# Altium PCB 直插版.PcbDoc
Units mm, origin at the board's own origin, x right, y up, seen from the top; angles counter-clockwise.
Board outline 41.52 x 81.52 mm, 2 copper layers (Top Layer, Bottom Layer); 14 components, 16 nets, 75 pads, 0 vias.
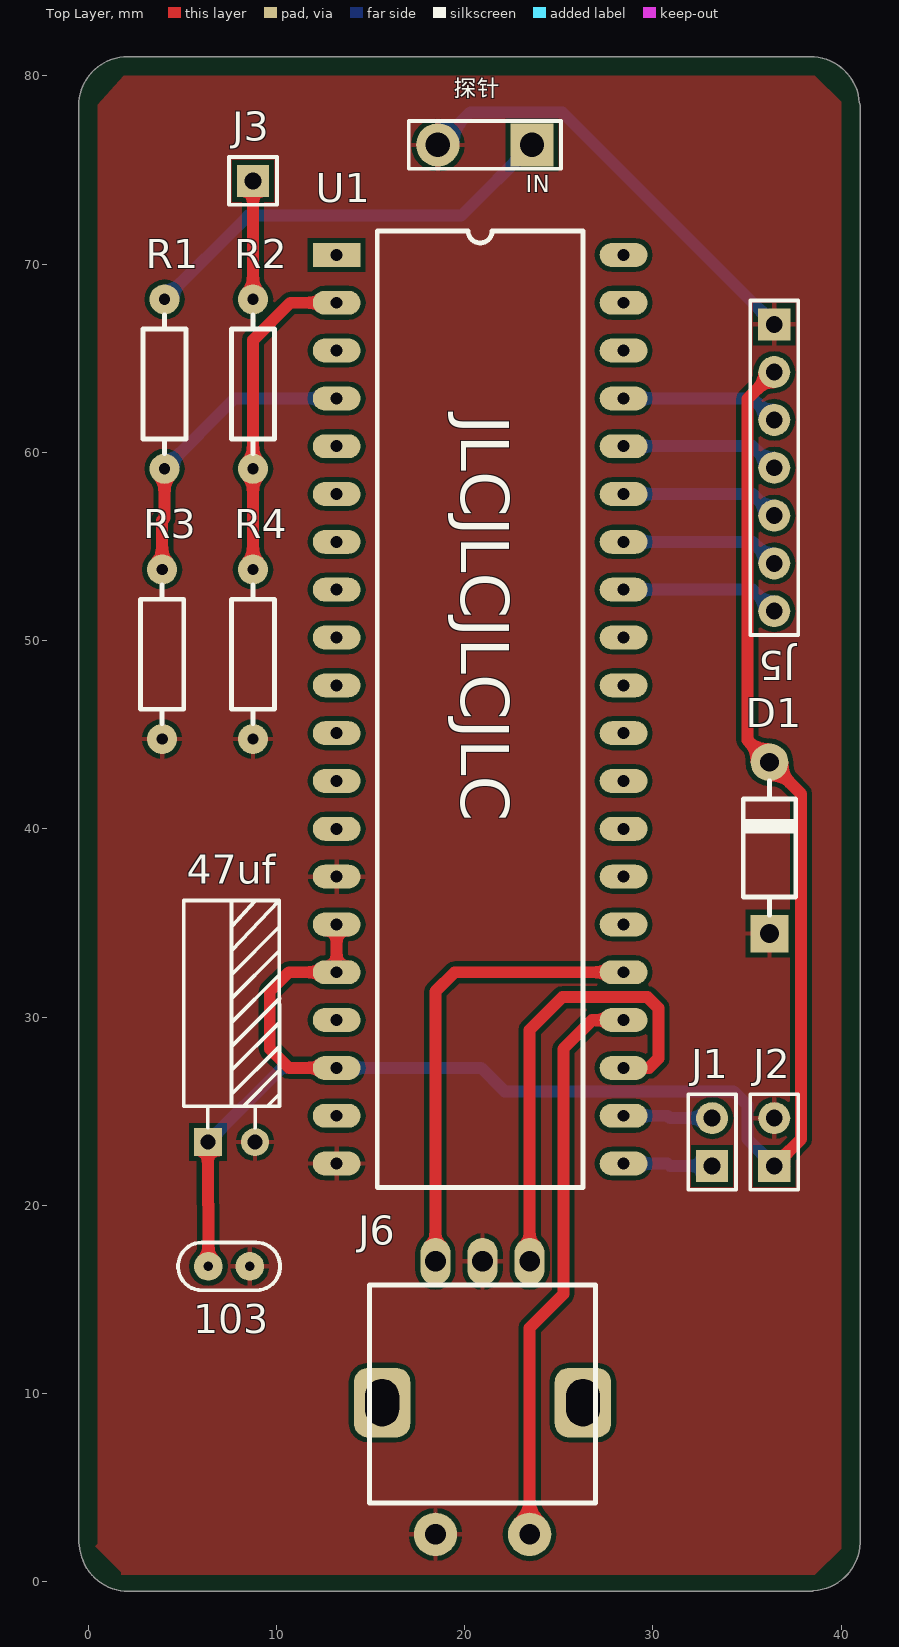
[diagram p0: Top Layer view]
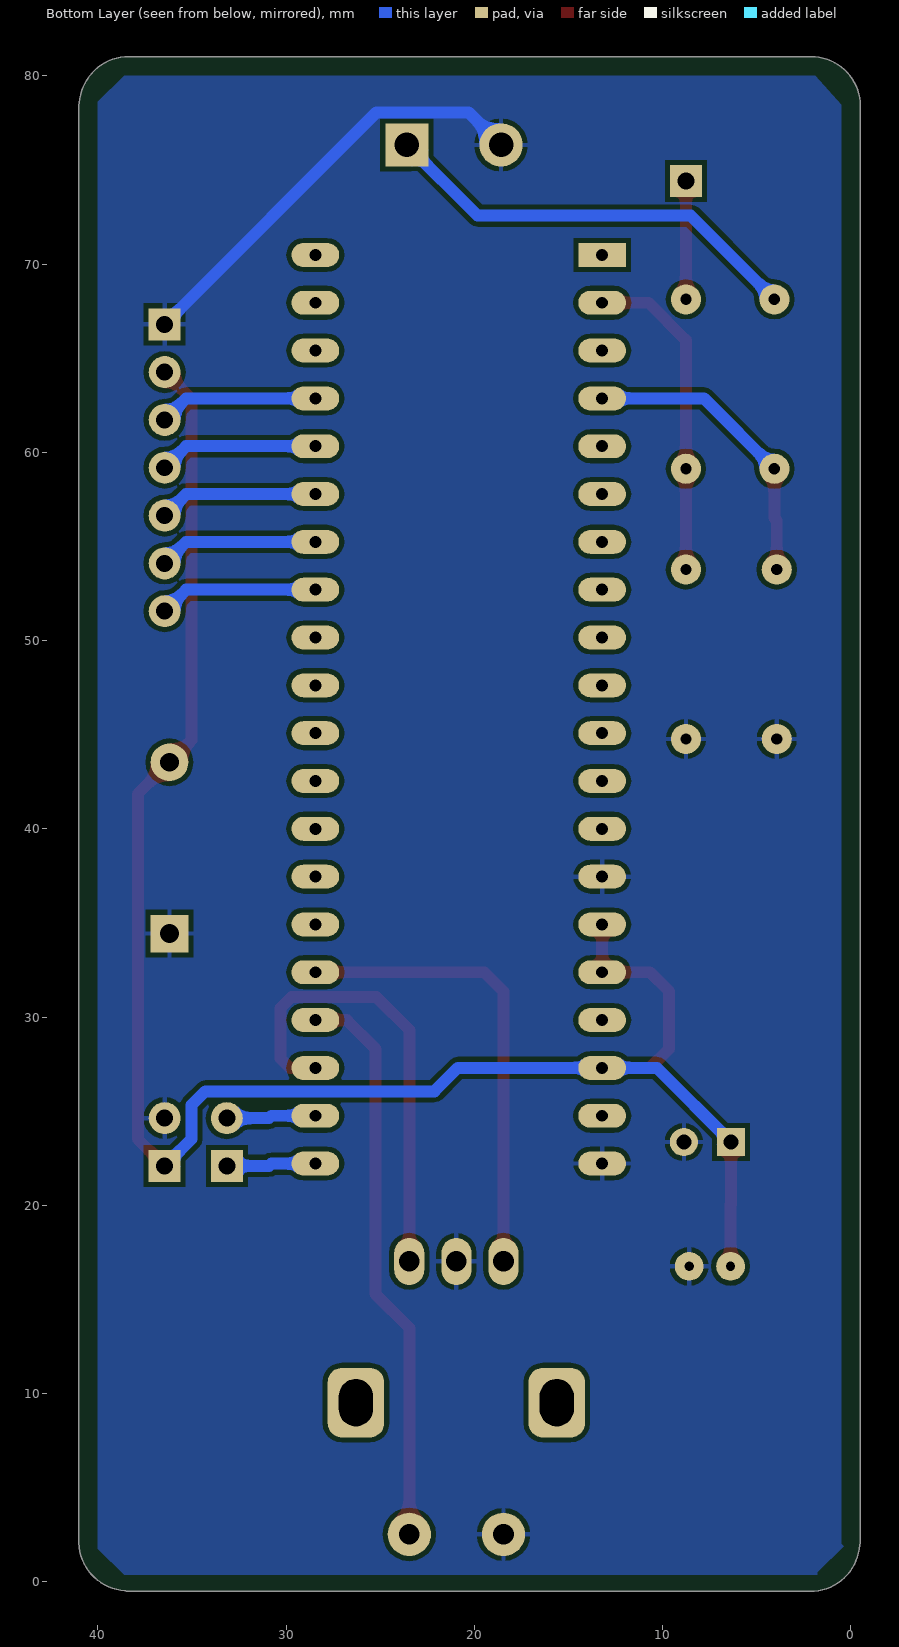
[diagram p1: Bottom Layer view, seen from below]

## Layer stack, top to bottom
Top Solder: solder mask 0.0102, Solder Resist, Dk 3.5
Top Layer: signal copper 0.0356
Dielectric 1: dielectric 0.32, FR-4, Dk 4.8
Bottom Layer: signal copper 0.0356
Bottom Solder: solder mask 0.0102, Solder Resist, Dk 3.5

## Board outline
-0.46,1.962 cw(c0,2.159) -0.5,2.159 -0.5,78.396 cw(c2.124,78.396) 2.124,81.02 38.354,81.02 cw(c38.354,78.396) 40.972,78.568 cw(c40.52,78.354) 41.02,78.354 41.02,2.166 cw(c40.52,2.166) 41.012,2.075 cw(c38.389,2.159) 38.551,-0.46 cw(c38.354,0) 38.354,-0.5 2.159,-0.5 cw(c2.159,2.124)

## Design rules (kind name [scope] priority, off if disabled: settings)
Clearance [All] p1: gap=0.254
MinimumSolderMaskSliver [All] p1: minsoldermaskwidth=0.025
PolygonConnect [All] p1: connectstyle=Relief reliefconductorwidth=0.254 reliefentries=4 polygonreliefangle="90 Angle" airgapwidth=0.254
RoutingVias [All] p1: holewidth=0.711 width=1.27 viastyle="Through Hole" minholewidth=0.711 minwidth=1.27 maxholewidth=0.711 maxwidth=1.27
SilkToSilkClearance [All] p1: silktosilkclearance=0.025
SilkToSolderMaskClearance [IsPad] p1: minsilkscreentomaskgap=0 clearancetoexposedcopper=TRUE
SolderMaskExpansion [All] p1: expansion=0.102
Width [All] p1: maxlimit=0.762 minlimit=0.254 preferedwidth=0.635
27 further rules are at their usual default settings.

## Components (designator, comment, footprint, x,y, rotation, side; value= is the part's Value field where it differs from the comment)
47uf "电解电容" 电解电容直插 7.62,23.368 r0 top
103 "普通电容" 瓷片电容直插 7.493,16.764 r0 top
D1 "5V稳压二极管" DO-41 36.195,38.989 r90 top
J1 "rxtx" HDR2.54-LI-2P 33.147,23.368 r90 top
J2 "电源" HDR2.54-LI-2P 36.449,23.368 r90 top
J3 "电池采样" 1pin排针 8.763,74.422 r0 top
J5 "oled" 7pin排针 36.449,59.182 r270 top
J6 "电位器" EC11 20.955,9.779 r90 top
R1 "10K、1W" 直插电阻1/4W 4.064,63.627 r90 top
R2 "10K" 直插电阻1/4W 8.763,63.627 r90 top
R3 "2K" 直插电阻1/4W 3.937,49.276 r90 top
R4 "2K" 直插电阻1/4W 8.763,49.276 r90 top
U1 "STC8a8k64" DIP40 13.208,70.485 r0 top
探针 "探针" 2pin-5mm 21.082,76.327 r180 top

## Footprints (in the part's own frame and the unit in brackets; to place one, negate y for a bottom-side part, rotate by r counter-clockwise, add the part's x,y. Pads: shape width x height; smd on the part's side, far side on the other; paste and mask are expansions set on the pad)
1pin排针 [mm] "排母，1脚"
  rect 1.7x1.7 hole 0.9: 1(0,0)
  silkscreen extent -1.27,-1.27 1.27,1.27, body extent -1.27,-1.27 1.27,1.27, height 8.5
2pin-5mm [mm] "排母，2脚"
  rect 2.3x2.3 hole 1.3: 1(-2.5,0)
  round 2.3 hole 1.3: 2(2.5,0)
  silkscreen extent -4.04,-1.27 4.04,1.27, body extent -3.76,-1.27 3.76,1.3, height 8.5
7pin排针 [mm] "排针，7脚"
  rect 1.7x1.7 hole 0.9: 1(-7.62,0)
  round 1.7 hole 0.9: 2(-5.08,0) 3(-2.54,0) 4(0,0) 5(2.54,0) 6(5.08,0) 7(7.62,0)
  silkscreen extent -8.89,-1.27 8.89,1.27, body extent -8.89,-1.27 8.89,1.27, height 8.5
DIP40 [mm] "40脚300mil直插集成电路（蒜米工坊）"
  rect 2.54x1.27 hole 0.635: 1(0,0)
  oval 2.54x1.27 hole 0.635: 2(0,-2.54) 3(0,-5.08) 4(0,-7.62) 5(0,-10.16) 6(0,-12.7) 7(0,-15.24) 8(0,-17.78) 9(0,-20.32) 10(0,-22.86) 11(0,-25.4) 12(0,-27.94) 13(0,-30.48) 14(0,-33.02) 15(0,-35.56) 16(0,-38.1) 17(0,-40.64) 18(0,-43.18) 19(0,-45.72) 20(0,-48.26) 21(15.24,-48.26) 22(15.24,-45.72) 23(15.24,-43.18) 24(15.24,-40.64) 25(15.24,-38.1) 26(15.24,-35.56) 27(15.24,-33.02) 28(15.24,-30.48) 29(15.24,-27.94) 30(15.24,-25.4) 31(15.24,-22.86) 32(15.24,-20.32) 33(15.24,-17.78) 34(15.24,-15.24) 35(15.24,-12.7) 36(15.24,-10.16) 37(15.24,-7.62) 38(15.24,-5.08) 39(15.24,-2.54) 40(15.24,0)
  silkscreen extent 2.16,-49.53 13.08,1.27, body extent -0.13,-50.42 15.37,2.03, height 5.7
DO-41 [mm] "2.6*9.1mm(直径，脚距）"
  rect 2x2 hole 1: 1(-4.55,0)
  round 2 hole 1: 2(4.55,0)
  silkscreen extent -3.56,-1.4 3.56,1.4, body extent -4.92,-1.29 4.98,1.31, height 2.65
EC11 [mm] "数字开关编码器"
  rrect50% 3.7x3 hole 1.8 slot 2.5 at 0 deg: 0(-0.254,5.334) 0(-0.254,-5.334)
  oval 2.5x1.6 hole 1.1: A(7.25,-2.5) B(7.25,2.5) C(7.25,0)
  round 2.3 hole 1.1: D(-7.25,-2.5) E(-7.25,2.5)
  silkscreen extent -5.59,-6 6,6, body extent -7.35,-6.24 7.45,6.24, height 22
HDR2.54-LI-2P [mm] "排针，2脚"
  rect 1.7x1.7 hole 0.9: 1(-1.27,0)
  round 1.7 hole 0.9: 2(1.27,0)
  silkscreen extent -2.54,-1.27 2.54,1.27, body extent -2.54,-1.27 2.54,1.27, height 8.5
瓷片电容直插 [mil] "脚距2.2mm直径5mm"
  round 60 hole 19.68: 1(-43.31,0) 2(43.31,0)
  silkscreen extent -107,-50 107,50, body extent -94,-36 94,36, height 189
电解电容直插 [mm] "脚距2.5mm直径5mm高度11mm"
  rect 1.5x1.5 hole 0.8: 1(-1.25,0)
  round 1.5 hole 0.8: 2(1.25,0)
  silkscreen extent -2.54,0.76 2.55,12.83, body extent -2.5,-0.25 2.51,12.96, height 5.02
直插电阻1/4W [mm] "直插色环电阻，脚距9mm，直径2.3mm"
  round 1.6 hole 0.6: 1(-4.5,0) 2(4.5,0)
  silkscreen extent -3.68,-1.14 3.68,1.14, body extent -4.72,-1.16 4.73,1.16, height 2.32

## Part data
47uf 103: "Capacitor"
D1: library part 二极管
J1 J2 探针: library part CON2, "Connector"
J3: library part CON1, "Connector"
J5: library part CON7, "Connector"
J6: library part CON5, "Connector"
R1 R2 R3 R4: library part RES
U1: "STC单片机"

## Nets (pads, with @x,y where several pads share a name; then routed paths per layer and width w, separated by ;. In a path a pad name is that pad's centre, name@x,y a point inside that pad or via, vN(x,y) a via of type N, cw(c..) or ccw(c..) an arc to the next point about the centre after c; other vN are vias at no path point)
BATIN: J3.1 R2.2 | length 6.3
  Top Layer w0.635: R2.2 J3.1
GND: 47uf.2 103.2 D1.1 J2.2 J5.1 J6.C J6.E R3.1 R4.1 U1.14 U1.20 探针.2 | length 23.2
  Bottom Layer w0.635: 探针.2 20.309,78.054 25.197,78.054 J5.1
INPUT: R1.2 探针.1 | length 22.9
  Bottom Layer w0.635: R1.2 8.505,72.568 19.823,72.568 探针.1
P2.3: J5.7 U1.33 | length 8.5
  Bottom Layer w0.635: U1.33 35.306,52.705 J5.7
P2.4: J5.6 U1.34 | length 8.5
  Bottom Layer w0.635: U1.34 35.306,55.245 J5.6
P2.5: J5.5 U1.35 | length 8.5
  Bottom Layer w0.635: U1.35 35.306,57.785 J5.5
P2.6: J5.4 U1.36 | length 8.5
  Bottom Layer w0.635: U1.36 35.306,60.325 J5.4
P2.7: J5.3 U1.37 | length 8.5
  Bottom Layer w0.635: U1.37 35.306,62.865 J5.3
P3.0: J1.1 U1.21 | length 4.8
  Bottom Layer w0.635: U1.21 30.785,22.225 30.912,22.098 J1.1
P3.1: J1.2 U1.22 | length 4.8
  Bottom Layer w0.635: U1.22 30.785,24.765 30.912,24.638 J1.2
P3.2: J6.A U1.23 | length 24.8
  Top Layer w0.635: J6.A 23.455,29.322 25.197,31.064 29.718,31.064 30.302,30.48 30.302,27.813 29.794,27.305 U1.23
P3.3: J6.D U1.24 | length 30.4
  Top Layer w0.635: J6.D 23.455,13.498 25.248,15.291 25.248,28.321 26.772,29.845 U1.24
P3.4: J6.B U1.25 | length 24.8
  Top Layer w0.635: J6.B 18.455,31.369 19.471,32.385 U1.25
P04: R2.1 R4.2 U1.2 | length 17.5
  Top Layer w0.635: R4.2 R2.1 8.763,65.964 10.744,67.945 U1.2
P06: R1.1 R3.2 U1.4 | length 16.1
  Top Layer w0.635: R3.2 3.937,56.388 4.064,56.515 R1.1
  Bottom Layer w0.635: R1.1 7.802,62.865 U1.4
VCC: 47uf.1 103.1 D1.2 J2.1 J5.2 U1.15 U1.16 U1.18 | length 99.6
  Top Layer w0.635: 47uf.1 6.37,20.064 6.393,20.041 103.1 ; U1.18 10.668,27.305 9.652,28.321 9.652,31.369 10.668,32.385 U1.16 U1.15 ; J2.1 37.871,23.52 37.871,41.863 D1.2 35.027,44.707 35.027,62.84 J5.2
  Bottom Layer w0.635: 47uf.1 10.307,27.305 U1.18 20.879,27.305 22.123,26.06 34.29,26.06 35.027,25.324 35.027,23.52 J2.1
pads on no net: J6.0 U1.1 U1.3 U1.5 U1.6 U1.7 U1.8 U1.9 U1.10 U1.11 U1.12 U1.13 U1.17 U1.19 U1.26 U1.27 U1.28 U1.29 U1.30 U1.31 U1.32 U1.38 U1.39 U1.40

## Polygon pours and split planes (outlines as drawn)
GND on Top Layer "Top Layer-No Net" (solid, remove dead copper, pour order 4): 1.905,80.01 38.608,80.01 38.481,80.01 38.608,80.01 40.005,78.613 40.005,2.032 40.005,1.778 38.735,0.508 38.608,0.381 1.778,0.381 1.778,0.508 0.381,1.905 0.508,2.032 0.508,78.473
GND on Bottom Layer "Top Layer-No Net" (solid, remove dead copper, pour order 3): 1.905,80.01 38.608,80.01 38.481,80.01 38.608,80.01 40.005,78.613 40.005,2.032 40.005,1.778 38.735,0.508 38.608,0.381 1.778,0.381 1.778,0.508 0.381,1.905 0.508,2.032 0.508,78.473

## Silkscreen, mask and mechanical layers (free items; w line width, h text height)
Top Overlay:
  text "IN" at 23.241,73.533 h1.52
  text "JLCJLCJLCJLC" at 19.812,61.976 h2.54 r270
Mechanical 1:
  lines w1: 0,2.159 0,78.396 cw(c2.124,78.396) 2.124,80.52 38.354,80.52 cw(c38.354,78.396) 40.478,78.396 ; 0.035,2.124 ccw(c2.159,2.124) 2.159,0 38.354,0 ; 38.389,0.035 ccw(c38.389,2.159) 40.513,2.159 ; 40.52,2.166 40.52,78.354